# KiCad board signalmesh.kicad_pcb
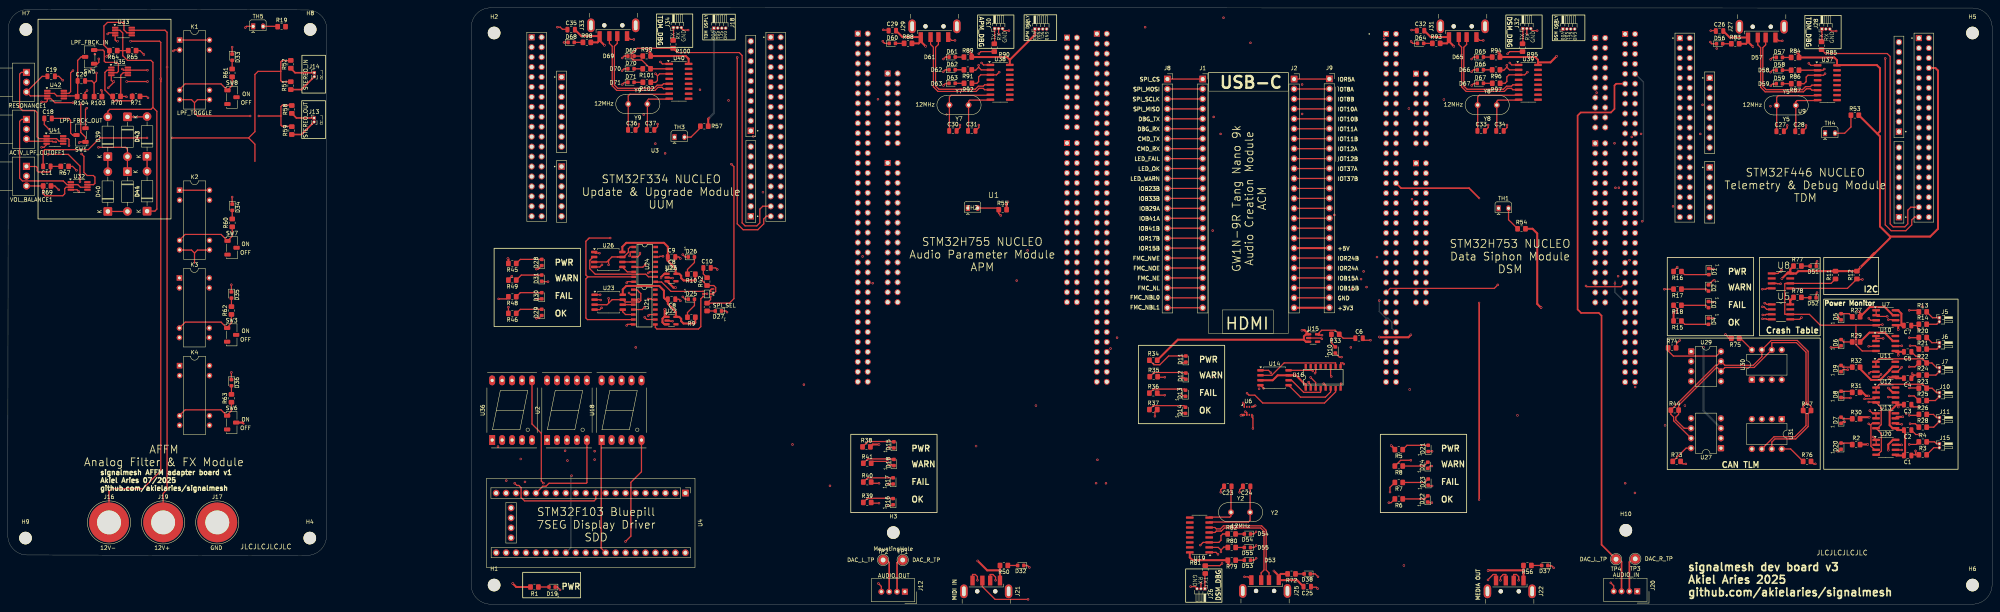
[diagram p0: board, top side]
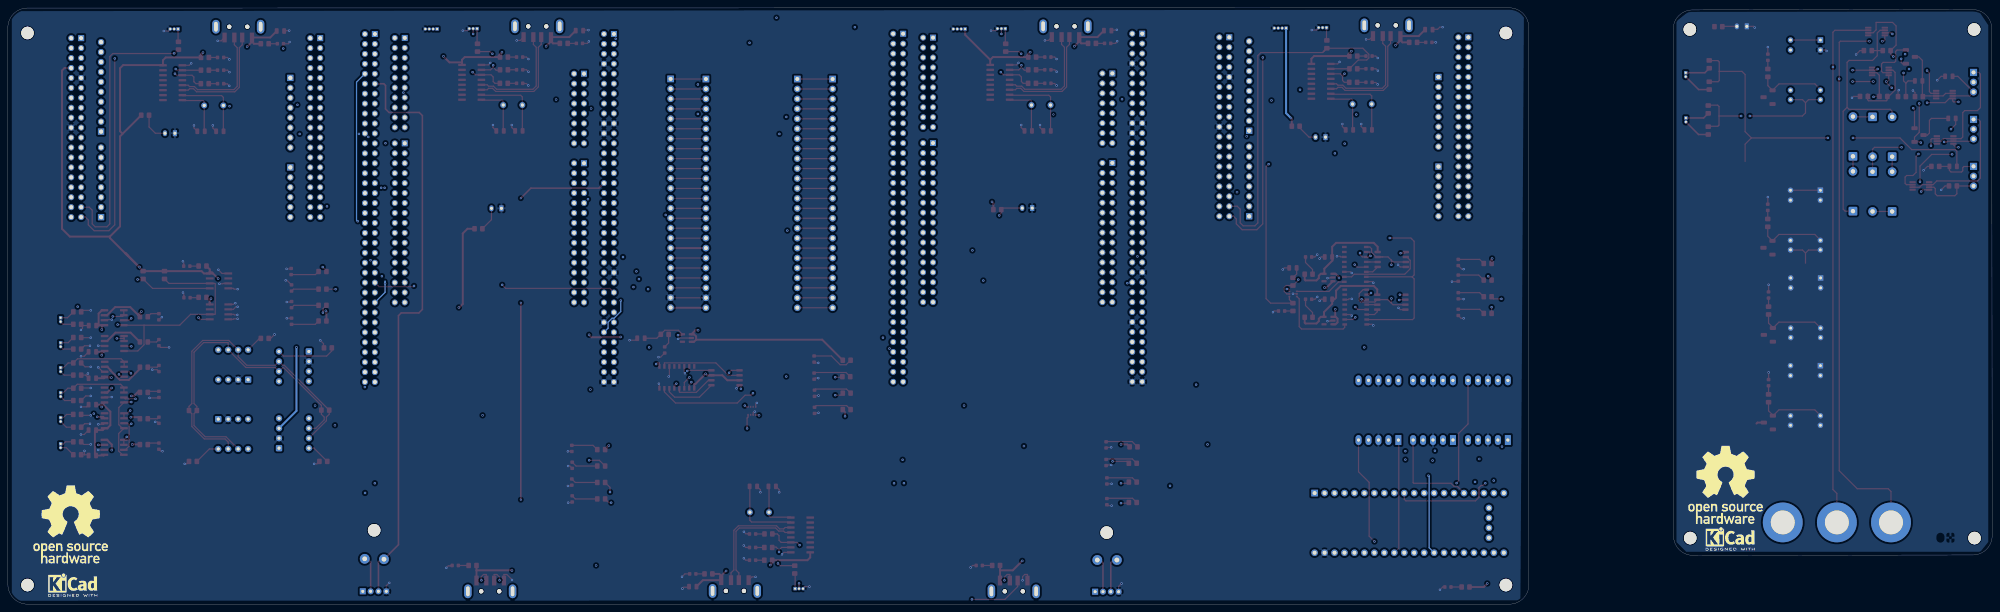
[diagram p1: board, bottom side, seen from below]

Outline 506.01 x 152.31 mm; copper layers: Top, In1.Cu, In2.Cu, Bottom. Coordinates in mm from the lower left corner of the outline.
Outline path: 123.14,0 arc(119.55,1.51) 118.14,5.13 118.18,147.38 arc(119.59,150.83) 123,152.31 501,152.26 arc(504.54,150.8) 506.01,147.26 ; 123.14,0 501,0 arc(504.54,1.47) 506,5 506.01,147.26 ; 0.1,146.94 arc(1.5,150.38) 4.91,151.86 76.41,151.77 arc(79.86,150.36) 81.34,146.95 81.24,17.4 arc(79.84,13.95) 76.43,12.47 4.93,12.57 arc(1.48,13.97) 0,17.38 0.1,146.94
Stack: Top 0.035mm / dielectric 0.1mm FR4 er 4.5 / In1.Cu 0.035mm / dielectric 1.24mm FR4 er 4.5 / In2.Cu 0.035mm / dielectric 0.1mm FR4 er 4.5 / Bottom 0.035mm

## Placement (name value [footprint] x y rotation side)
ACTV_LPF_CUTOFF1  100k  [Potentiometer_Alps_RK09Y11_Single_Horizontal]  4.75 123.81 0 top
C1  0.1uf  [C_0805_2012Metric]  484.46 37.97 180 top
C2  0.1uf  [C_0805_2012Metric]  484.46 44.45 180 top
C3  0.1uf  [C_0805_2012Metric]  484.46 50.96 180 top
C4  0.1uf  [C_0805_2012Metric]  484.46 57.71 180 top
C5  0.1uf  [C_0805_2012Metric]  484.46 64.46 180 top
C6  10uf  [C_0805_2012Metric]  344.56 67.92 0 top
C7  0.1uf  [C_0805_2012Metric]  484.43 71.16 180 top
C8  10uf  [C_0805_2012Metric]  169.25 77.88 0 top
C9  10uf  [C_0805_2012Metric]  169.25 88.68 0 top
C10  0.1uf  [C_0805_2012Metric]  178.31 85.88 0 top
C11  1uf  [C_0805_2012Metric]  9.95 111.81 180 top
C18  10nf  [C_0805_2012Metric]  10.25 124.06 0 top
C19  10nf  [C_0805_2012Metric]  11.05 134.81 0 top
C20  1uf  [C_0805_2012Metric]  18.75 133.64 0 top
C23  22pf  [C_0805_2012Metric]  311.1 30.08 180 top
C24  22pf  [C_0805_2012Metric]  315.9 30.08 180 top
C25  22pf  [C_0805_2012Metric]  331.35 4.48 180 top
C26  22pf  [C_0805_2012Metric]  436.5 146.38 0 top
C27  22pf  [C_0805_2012Metric]  451.95 120.78 0 top
C28  22pf  [C_0805_2012Metric]  456.75 120.78 0 top
C29  22pf  [C_0805_2012Metric]  225.55 146.48 0 top
C30  22pf  [C_0805_2012Metric]  241 120.88 0 top
C31  22pf  [C_0805_2012Metric]  245.8 120.88 0 top
C32  22pf  [C_0805_2012Metric]  360.25 146.48 0 top
C33  22pf  [C_0805_2012Metric]  375.7 120.88 0 top
C34  22pf  [C_0805_2012Metric]  380.5 120.88 0 top
C35  22pf  [C_0805_2012Metric]  143.65 146.74 0 top
C36  22pf  [C_0805_2012Metric]  159.1 121.14 0 top
C37  22pf  [C_0805_2012Metric]  163.9 121.14 0 top
D1  LED_OK  [LED_0603_1608Metric]  433.77 84.96 270 top
D2  LED_FAIL  [LED_0603_1608Metric]  433.67 80.76 270 top
D3  LED_WARN  [LED_0603_1608Metric]  433.67 76.52 270 top
D4  LED_PWR  [LED_0603_1608Metric]  433.67 72.26 270 top
D5  LED_PWR  [LED_0603_1608Metric]  467.49 73.41 90 top
D6  LED_PWR  [LED_0603_1608Metric]  467.49 66.8 90 top
D7  LED_PWR  [LED_0603_1608Metric]  467.49 46.97 90 top
D8  LED_PWR  [LED_0603_1608Metric]  467.49 53.58 90 top
D9  LED_PWR  [LED_0603_1608Metric]  467.49 60.19 90 top
D10  LED_PWR  [LED_0603_1608Metric]  338.51 64.92 90 top
D11  LED_PWR  [LED_0603_1608Metric]  300.4 62.6 90 top
D12  LED_OK  [LED_0603_1608Metric]  300.4 58.23 90 top
D13  LED_FAIL  [LED_0603_1608Metric]  300.3 53.87 90 top
D14  LED_WARN  [LED_0603_1608Metric]  300.3 49.5 90 top
D15  LED_PWR  [LED_0603_1608Metric]  225.95 40.68 90 top
D16  LED_OK  [LED_0603_1608Metric]  225.75 26.18 90 top
D17  LED_FAIL  [LED_0603_1608Metric]  225.75 31.48 90 top
D18  LED_WARN  [LED_0603_1608Metric]  225.95 36.18 90 top
D19  LED_PWR  [LED_0603_1608Metric]  138.79 4.38 180 top
D20  LED_PWR  [LED_0603_1608Metric]  467.49 40.36 90 top
D21  LED_PWR  [LED_0603_1608Metric]  362.2 39.78 90 top
D22  LED_OK  [LED_0603_1608Metric]  362.1 26.88 90 top
D23  LED_FAIL  [LED_0603_1608Metric]  362.2 31.18 90 top
D24  LED_WARN  [LED_0603_1608Metric]  362.1 35.48 90 top
D25  LED_PWR  [LED_0603_1608Metric]  174.31 77.88 0 top
D26  LED_PWR  [LED_0603_1608Metric]  174.31 88.68 0 top
D27  SPI_SEL  [LED_0603_1608Metric]  181.2 74.88 180 top
D28  LED_PWR  [LED_0603_1608Metric]  136.14 87.27 90 top
D29  LED_OK  [LED_0603_1608Metric]  136.14 74.52 90 top
D30  LED_FAIL  [LED_0603_1608Metric]  136.14 78.77 90 top
D31  LED_WARN  [LED_0603_1608Metric]  136.14 83.27 90 top
D32  LED_PWR  [LED_0603_1608Metric]  258.29 9.88 180 top
D33  LPF_ON  [LED_0603_1608Metric]  57.2 139.69 270 top
D34  HPF_ON  [LED_0603_1608Metric]  57.22 101.37 270 top
D35  BPF_ON  [LED_0603_1608Metric]  57.02 78.97 270 top
D36  BSF_ON  [LED_0603_1608Metric]  57.02 56.57 270 top
D37  LED_PWR  [LED_0603_1608Metric]  391.92 9.88 180 top
D38  LED_PWR  [LED_0603_1608Metric]  331.35 7.73 180 top
D39  1N4001  [D_DO-41_SOD81_P10.16mm_Horizontal]  25.5 114.3 90 top
D40  1N4001  [D_DO-41_SOD81_P10.16mm_Horizontal]  25.5 100.3 90 top
D41  1N4001  [D_DO-41_SOD81_P10.16mm_Horizontal]  30.5 110.46 270 top
D42  1N4001  [D_DO-41_SOD81_P10.16mm_Horizontal]  30.5 124.46 270 top
D43  1N4001  [D_DO-41_SOD81_P10.16mm_Horizontal]  35.5 114.38 90 top
D44  1N4001  [D_DO-41_SOD81_P10.16mm_Horizontal]  35.5 100.38 90 top
D51  LED_PWR  [LED_0603_1608Metric]  460.38 86.34 180 top
D52  LED_PWR  [LED_0603_1608Metric]  460.32 78.27 180 top
D53  LED_PWR  [LED_0603_1608Metric]  316.1 11.23 180 top
D54  RXD  [LED_0603_1608Metric]  316.1 17.93 180 top
D55  TXD  [LED_0603_1608Metric]  316.1 14.48 180 top
D56  LED_PWR  [LED_0603_1608Metric]  436.5 143.13 0 top
D57  LED_PWR  [LED_0603_1608Metric]  451.75 139.63 0 top
D58  TXD  [LED_0603_1608Metric]  451.75 136.38 0 top
D59  RXD  [LED_0603_1608Metric]  451.75 132.93 0 top
D60  LED_PWR  [LED_0603_1608Metric]  225.55 143.23 0 top
D61  LED_PWR  [LED_0603_1608Metric]  240.8 139.73 0 top
D62  TXD  [LED_0603_1608Metric]  240.8 136.48 0 top
D63  RXD  [LED_0603_1608Metric]  240.8 133.03 0 top
D64  LED_PWR  [LED_0603_1608Metric]  360.25 143.23 0 top
D65  LED_PWR  [LED_0603_1608Metric]  375.5 139.73 0 top
D66  TXD  [LED_0603_1608Metric]  375.5 136.48 0 top
D67  RXD  [LED_0603_1608Metric]  375.5 133.03 0 top
D68  LED_PWR  [LED_0603_1608Metric]  143.65 143.49 0 top
D69  LED_PWR  [LED_0603_1608Metric]  158.9 139.99 0 top
D70  TXD  [LED_0603_1608Metric]  158.9 136.74 0 top
D71  RXD  [LED_0603_1608Metric]  158.9 133.29 0 top
H1  MountingHole  [MountingHole_3.2mm_M3]  124 4.88 0 top
H2  MountingHole  [MountingHole_3.2mm_M3]  124 145.88 0 top
H3  MountingHole  [MountingHole_3.2mm_M3]  225.8 18.28 0 top
H4  MountingHole  [MountingHole_3.2mm_M3]  77 16.88 0 top
H5  MountingHole  [MountingHole_3.2mm_M3]  501 145.88 0 top
H6  MountingHole  [MountingHole_3.2mm_M3]  501 4.88 0 top
H7  MountingHole  [MountingHole_3.2mm_M3]  4.6 146.78 0 top
H8  MountingHole  [MountingHole_3.2mm_M3]  77.1 146.78 0 top
H9  MountingHole  [MountingHole_3.2mm_M3]  4.5 16.88 0 top
H10  MountingHole  [MountingHole_3.2mm_M3]  412.6 18.88 0 top
J1  FPGA I/O  [PinSocket_1x24_P2.54mm_Vertical]  304.69 134.12 0 top
J2  FPGA I/O  [PinSocket_1x24_P2.54mm_Vertical]  328 134.12 0 top
J3  LCD_display  [PinHeader_1x04_P1.00mm_Horizontal]  396.55 146.91 90 top
J4  LCD_display  [PinHeader_1x04_P1.00mm_Horizontal]  261.9 146.91 90 top
J5  INA219_CONFIG  [PinHeader_1x02_P1.00mm_Horizontal]  492.55 73.16 0 top
J6  INA219_CONFIG  [PinHeader_1x02_P1.00mm_Horizontal]  492.55 66.78 0 top
J7  INA219_CONFIG  [PinHeader_1x02_P1.00mm_Horizontal]  492.55 60.41 0 top
J8  FPGA I/O  [PinSocket_1x24_P2.54mm_Vertical]  295.69 134.12 0 top
J9  FPGA I/O  [PinSocket_1x24_P2.54mm_Vertical]  337 134.16 0 top
J10  INA219_CONFIG  [PinHeader_1x02_P1.00mm_Horizontal]  492.55 54.03 0 top
J11  INA219_CONFIG  [PinHeader_1x02_P1.00mm_Horizontal]  492.55 47.66 0 top
J12  AUDIO_OUT  [NS-Tech_Grove_1x04_P2mm_Vertical]  228.75 3.18 270 top
J13  STEREO_OUT  [PinHeader_1x02_P1.00mm_Vertical]  78.1 124.18 0 top
J14  STEREO_IN  [PinHeader_1x02_P1.00mm_Vertical]  78.15 135.73 0 top
J15  INA219_CONFIG  [PinHeader_1x02_P1.00mm_Horizontal]  492.55 40.96 0 top
J16  12V-  [Banana_Jack_1Pin]  25.8 20.88 0 top
J17  GND  [Banana_Jack_1Pin]  53.4 20.88 0 top
J18  LCD_display  [PinHeader_1x04_P1.00mm_Horizontal]  180.05 147.12 90 top
J19  12V+  [Banana_Jack_1Pin]  39.6 20.88 0 top
J20  AUDIO_IN  [NS-Tech_Grove_1x04_P2mm_Vertical]  415.5 3.28 270 top
J21  USB_A  [USB_A_CNCTech_1001-011-01101_Horizontal]  249.5 -3.62 270 top
J22  USB_A  [USB_A_CNCTech_1001-011-01101_Horizontal]  383 -3.62 270 top
J25  USB_A  [USB_A_CNCTech_1001-011-01101_Horizontal]  320.6 -3.52 270 top
J26  UART_DEBUG  [PinHeader_1x03_P1.00mm_Horizontal]  305.25 3.96 270 top
J27  USB_A  [USB_A_CNCTech_1001-011-01101_Horizontal]  447.25 154.38 90 top
J28  UART_DEBUG  [PinHeader_1x03_P1.00mm_Horizontal]  462.6 146.9 90 top
J29  USB_A  [USB_A_CNCTech_1001-011-01101_Horizontal]  236.3 154.48 90 top
J30  UART_DEBUG  [PinHeader_1x03_P1.00mm_Horizontal]  251.65 147 90 top
J31  USB_A  [USB_A_CNCTech_1001-011-01101_Horizontal]  371 154.48 90 top
J32  UART_DEBUG  [PinHeader_1x03_P1.00mm_Horizontal]  386.35 147 90 top
J33  USB_A  [USB_A_CNCTech_1001-011-01101_Horizontal]  154.4 154.74 90 top
J34  UART_DEBUG  [PinHeader_1x03_P1.00mm_Horizontal]  169.75 147.26 90 top
K1  LPF_TOGGLE  [Relay_StandexMeder_DIP_LowProfile]  43.8 144.08 0 top
K2  DIPxx-1Axx-11x  [Relay_StandexMeder_DIP_LowProfile]  43.8 105.72 0 top
K3  DIPxx-1Axx-11x  [Relay_StandexMeder_DIP_LowProfile]  43.75 83.32 0 top
K4  DIPxx-1Axx-11x  [Relay_StandexMeder_DIP_LowProfile]  43.8 60.92 0 top
KiCAD_logo  -  [KiCad-Logo2_5mm_SilkScreen]  489.46 4.88 180 bottom
KiCAD_logo#2  -  [KiCad-Logo2_5mm_SilkScreen]  66.8 16.68 180 bottom
OSHW  -  [OSHW-Logo_19x20mm_SilkScreen]  68 30.48 180 bottom
OSHW#2  -  [OSHW-Logo_19x20mm_SilkScreen]  490 20.38 180 bottom
R1  300  [R_0805_2012Metric_Pad1.20x1.40mm_HandSolder]  134.29 4.38 180 top
R2  300  [R_0805_2012Metric_Pad1.20x1.40mm_HandSolder]  471.33 40.76 0 top
R3  10k  [R_0805_2012Metric_Pad1.20x1.40mm_HandSolder]  488.31 38.16 0 top
R4  10k  [R_0805_2012Metric_Pad1.20x1.40mm_HandSolder]  488.31 41.46 0 top
R5  300  [R_0805_2012Metric_Pad1.20x1.40mm_HandSolder]  354.7 39.48 180 top
R6  300  [R_0805_2012Metric_Pad1.20x1.40mm_HandSolder]  354.7 26.88 180 top
R7  300  [R_0805_2012Metric_Pad1.20x1.40mm_HandSolder]  354.7 31.08 180 top
R8  300  [R_0805_2012Metric_Pad1.20x1.40mm_HandSolder]  354.7 35.28 180 top
R9  300  [R_0805_2012Metric_Pad1.20x1.40mm_HandSolder]  174.31 73.28 180 top
R10  300  [R_0805_2012Metric_Pad1.20x1.40mm_HandSolder]  174.31 84.28 180 top
R11  4.7k  [R_0805_2012Metric_Pad1.20x1.40mm_HandSolder]  466.06 84.06 90 top
R12  4.7k  [R_0805_2012Metric_Pad1.20x1.40mm_HandSolder]  471.52 84.06 90 top
R13  10k  [R_0805_2012Metric_Pad1.20x1.40mm_HandSolder]  488.31 74.66 0 top
R14  10k  [R_0805_2012Metric_Pad1.20x1.40mm_HandSolder]  488.31 71.49 0 top
R15  300  [R_0805_2012Metric_Pad1.20x1.40mm_HandSolder]  425.77 72.32 180 top
R16  300  [R_0805_2012Metric_Pad1.20x1.40mm_HandSolder]  425.77 84.96 180 top
R17  300  [R_0805_2012Metric_Pad1.20x1.40mm_HandSolder]  425.77 80.46 180 top
R18  300  [R_0805_2012Metric_Pad1.20x1.40mm_HandSolder]  425.77 76.32 180 top
R19  10k  [R_0805_2012Metric_Pad1.20x1.40mm_HandSolder]  69.81 147.5 0 top
R20  10k  [R_0805_2012Metric_Pad1.20x1.40mm_HandSolder]  488.31 68.11 0 top
R21  10k  [R_0805_2012Metric_Pad1.20x1.40mm_HandSolder]  488.31 65.16 0 top
R22  10k  [R_0805_2012Metric_Pad1.20x1.40mm_HandSolder]  488.31 61.61 0 top
R23  10k  [R_0805_2012Metric_Pad1.20x1.40mm_HandSolder]  488.31 55.16 0 top
R24  10k  [R_0805_2012Metric_Pad1.20x1.40mm_HandSolder]  488.31 58.51 0 top
R25  10k  [R_0805_2012Metric_Pad1.20x1.40mm_HandSolder]  488.31 52.01 0 top
R26  10k  [R_0805_2012Metric_Pad1.20x1.40mm_HandSolder]  488.33 48.46 0 top
R27  300  [R_0805_2012Metric_Pad1.20x1.40mm_HandSolder]  471.33 73.41 0 top
R28  10k  [R_0805_2012Metric_Pad1.20x1.40mm_HandSolder]  488.31 45.21 0 top
R29  300  [R_0805_2012Metric_Pad1.20x1.40mm_HandSolder]  471.33 66.97 0 top
R30  300  [R_0805_2012Metric_Pad1.20x1.40mm_HandSolder]  471.33 47.36 0 top
R31  300  [R_0805_2012Metric_Pad1.20x1.40mm_HandSolder]  471.33 54.09 0 top
R32  300  [R_0805_2012Metric_Pad1.20x1.40mm_HandSolder]  471.33 60.53 0 top
R33  300  [R_0805_2012Metric_Pad1.20x1.40mm_HandSolder]  338.51 68.92 180 top
R34  300  [R_0805_2012Metric_Pad1.20x1.40mm_HandSolder]  292.1 62.3 0 top
R35  300  [R_0805_2012Metric_Pad1.20x1.40mm_HandSolder]  292.2 58.1 0 top
R36  300  [R_0805_2012Metric_Pad1.20x1.40mm_HandSolder]  292.1 53.9 0 top
R37  300  [R_0805_2012Metric_Pad1.20x1.40mm_HandSolder]  292.1 49.7 0 top
R38  300  [R_0805_2012Metric_Pad1.20x1.40mm_HandSolder]  218.95 40.18 0 top
R39  300  [R_0805_2012Metric_Pad1.20x1.40mm_HandSolder]  219.15 25.98 0 top
R40  300  [R_0805_2012Metric_Pad1.20x1.40mm_HandSolder]  219.15 31.18 0 top
R41  300  [R_0805_2012Metric_Pad1.20x1.40mm_HandSolder]  219.15 35.98 0 top
R42  100  [R_0805_2012Metric_Pad1.20x1.40mm_HandSolder]  178.31 82.38 90 top
R43  300  [R_0805_2012Metric_Pad1.20x1.40mm_HandSolder]  178.31 75.88 270 top
R44  120  [R_0805_2012Metric_Pad1.20x1.40mm_HandSolder]  425.06 49.56 0 top
R45  300  [R_0805_2012Metric_Pad1.20x1.40mm_HandSolder]  128.64 87.02 180 top
R46  300  [R_0805_2012Metric_Pad1.20x1.40mm_HandSolder]  128.64 74.27 180 top
R47  120  [R_0805_2012Metric_Pad1.20x1.40mm_HandSolder]  458.81 49.46 0 top
R48  300  [R_0805_2012Metric_Pad1.20x1.40mm_HandSolder]  128.64 78.52 180 top
R49  300  [R_0805_2012Metric_Pad1.20x1.40mm_HandSolder]  128.64 82.77 180 top
R50  300  [R_0805_2012Metric_Pad1.20x1.40mm_HandSolder]  254 9.88 180 top
R51  10K  [R_0805_2012Metric_Pad1.20x1.40mm_HandSolder]  72.15 132.43 90 top
R52  10K  [R_0805_2012Metric_Pad1.20x1.40mm_HandSolder]  72.15 137.88 90 top
R53  10k  [R_0805_2012Metric_Pad1.20x1.40mm_HandSolder]  471 124.88 0 top
R54  10k  [R_0805_2012Metric_Pad1.20x1.40mm_HandSolder]  386 95.88 0 top
R55  10k  [R_0805_2012Metric_Pad1.20x1.40mm_HandSolder]  253.69 100.76 0 top
R56  300  [R_0805_2012Metric_Pad1.20x1.40mm_HandSolder]  387.5 9.88 180 top
R57  10k  [R_0805_2012Metric_Pad1.20x1.40mm_HandSolder]  177.6 122.08 0 top
R58  1K  [R_0805_2012Metric_Pad1.20x1.40mm_HandSolder]  72.4 126.36 90 top
R59  1K  [R_0805_2012Metric_Pad1.20x1.40mm_HandSolder]  72.4 120.96 90 top
R60  300  [R_0805_2012Metric_Pad1.20x1.40mm_HandSolder]  57.22 97.38 90 top
R61  300  [R_0805_2012Metric_Pad1.20x1.40mm_HandSolder]  57.2 135.68 90 top
R62  300  [R_0805_2012Metric_Pad1.20x1.40mm_HandSolder]  57.02 74.99 90 top
R63  300  [R_0805_2012Metric_Pad1.20x1.40mm_HandSolder]  57.02 52.58 90 top
R64  10k  [R_0805_2012Metric_Pad1.20x1.40mm_HandSolder]  26.9 141.38 180 top
R65  6k8  [R_0805_2012Metric_Pad1.20x1.40mm_HandSolder]  31.7 141.38 180 top
R67  200k  [R_0805_2012Metric_Pad1.20x1.40mm_HandSolder]  14.5 111.81 180 top
R69  33k  [R_0805_2012Metric_Pad1.20x1.40mm_HandSolder]  10 106.81 180 top
R70  10k  [R_0805_2012Metric_Pad1.20x1.40mm_HandSolder]  27.73 129.68 180 top
R71  6k8  [R_0805_2012Metric_Pad1.20x1.40mm_HandSolder]  32.7 129.68 180 top
R72  300  [R_0805_2012Metric_Pad1.20x1.40mm_HandSolder]  327.35 7.73 180 top
R73  10k  [R_0805_2012Metric_Pad1.20x1.40mm_HandSolder]  425.56 36.46 0 top
R74  10k  [R_0805_2012Metric_Pad1.20x1.40mm_HandSolder]  424.4 65.46 0 top
R75  10k  [R_0805_2012Metric_Pad1.20x1.40mm_HandSolder]  440.5 67.88 180 top
R76  10k  [R_0805_2012Metric_Pad1.20x1.40mm_HandSolder]  458.81 36.46 0 top
R77  300  [R_0805_2012Metric_Pad1.20x1.40mm_HandSolder]  456.36 86.36 0 top
R78  300  [R_0805_2012Metric_Pad1.20x1.40mm_HandSolder]  456.36 78.36 0 top
R79  300  [R_0805_2012Metric_Pad1.20x1.40mm_HandSolder]  312.1 11.23 180 top
R80  300  [R_0805_2012Metric_Pad1.20x1.40mm_HandSolder]  312.1 14.48 0 top
R81  1k5  [R_0805_2012Metric_Pad1.20x1.40mm_HandSolder]  305.35 8.83 90 top
R82  300  [R_0805_2012Metric_Pad1.20x1.40mm_HandSolder]  312.06 17.93 0 top
R83  300  [R_0805_2012Metric_Pad1.20x1.40mm_HandSolder]  440.5 143.13 0 top
R84  300  [R_0805_2012Metric_Pad1.20x1.40mm_HandSolder]  455.75 139.63 0 top
R85  1k5  [R_0805_2012Metric_Pad1.20x1.40mm_HandSolder]  462.5 142.63 270 top
R86  300  [R_0805_2012Metric_Pad1.20x1.40mm_HandSolder]  455.75 136.38 180 top
R87  300  [R_0805_2012Metric_Pad1.20x1.40mm_HandSolder]  455.79 132.93 180 top
R88  300  [R_0805_2012Metric_Pad1.20x1.40mm_HandSolder]  229.55 143.23 0 top
R89  300  [R_0805_2012Metric_Pad1.20x1.40mm_HandSolder]  244.8 139.73 0 top
R90  1k5  [R_0805_2012Metric_Pad1.20x1.40mm_HandSolder]  251.55 142.13 270 top
R91  300  [R_0805_2012Metric_Pad1.20x1.40mm_HandSolder]  244.8 136.48 180 top
R92  300  [R_0805_2012Metric_Pad1.20x1.40mm_HandSolder]  244.84 133.03 180 top
R93  300  [R_0805_2012Metric_Pad1.20x1.40mm_HandSolder]  364.25 143.23 0 top
R94  300  [R_0805_2012Metric_Pad1.20x1.40mm_HandSolder]  379.5 139.73 0 top
R95  1k5  [R_0805_2012Metric_Pad1.20x1.40mm_HandSolder]  386.25 142.13 270 top
R96  300  [R_0805_2012Metric_Pad1.20x1.40mm_HandSolder]  379.5 136.48 180 top
R97  300  [R_0805_2012Metric_Pad1.20x1.40mm_HandSolder]  379.54 133.03 180 top
R98  300  [R_0805_2012Metric_Pad1.20x1.40mm_HandSolder]  147.65 143.49 0 top
R99  300  [R_0805_2012Metric_Pad1.20x1.40mm_HandSolder]  162.9 139.99 0 top
R100  1k5  [R_0805_2012Metric_Pad1.20x1.40mm_HandSolder]  169.65 142.99 270 top
R101  300  [R_0805_2012Metric_Pad1.20x1.40mm_HandSolder]  162.9 136.74 180 top
R102  300  [R_0805_2012Metric_Pad1.20x1.40mm_HandSolder]  162.94 133.28 180 top
R103  200k  [R_0805_2012Metric_Pad1.20x1.40mm_HandSolder]  23 129.64 180 top
R104  100K  [R_0805_2012Metric_Pad1.20x1.40mm_HandSolder]  18.67 129.64 180 top
RESONANCE1  100k  [Potentiometer_Alps_RK09Y11_Single_Horizontal]  4.75 135.81 0 top
SW1  LPF_FBCK_OUT  [Nidec_Copal_CAS-120A]  18.65 119.81 180 top
SW3  BPF_TOGGLE  [Nidec_Copal_CAS-120A]  57.07 68.78 0 top
SW5  LPF_FBCK_IN  [Nidec_Copal_CAS-120A]  20.85 139.78 180 top
SW6  BSF_TOGGLE  [Nidec_Copal_CAS-120A]  57.07 46.38 0 top
SW7  HPF_TOGGLE  [Nidec_Copal_CAS-120A]  57.17 91.03 0 top
SW8  LPF_TOGGLE  [Nidec_Copal_CAS-120A]  57.15 129.48 0 top
TH1  10k  [Heraeus_TO-92-2]  380.14 101.1 0 top
TH2  10k  [Heraeus_TO-92-2]  244.8 101.17 0 top
TH3  10k  [Heraeus_TO-92-2]  170 119.28 0 top
TH4  10k  [Heraeus_TO-92-2]  463.4 120.28 0 top
TH5  10k  [Heraeus_TO-92-2]  62.56 147.58 0 top
TP1  DAC_R_TP  [TestPoint_THTPad_D2.5mm_Drill1.2mm]  228.2 11.28 0 top
TP2  DAC_L_TP  [TestPoint_THTPad_D2.5mm_Drill1.2mm]  223.2 11.28 0 top
TP3  DAC_R_TP  [TestPoint_THTPad_D2.5mm_Drill1.2mm]  415 11.58 270 top
TP4  DAC_L_TP  [TestPoint_THTPad_D2.5mm_Drill1.2mm]  410.1 11.48 270 top
U1  NUCLEO-H753ZI  [MODULE_NUCLEO-H753ZI]  248.49 110.78 0 top
U2  SM420561N  [7SegmentLED_LTS6760_LTS6780]  137.5 41.92 90 top
U3  NUCLEO-F303RE  [ST_NUCLEO-F303RE]  165.33 135.28 0 top
U4  YAAJ_BluePill_Part_Like  [YAAJ_WeAct_BlackPill_SWD_2]  172.78 28.38 270 top
U5  24LC256-I_SN  [SOIC127P600X175-8N]  452.16 74.66 0 top
U6  BME280  [Bosch_LGA-8_2.5x2.5mm_P0.65mm_ClockwisePinNumbering]  316.27 49.38 0 top
U7  INA219AxD  [SOIC-8_3.9x4.9mm_P1.27mm]  478.9 73.16 0 top
U8  24LC256-I_SN  [SOIC127P600X175-8N]  452.16 82.56 0 top
U9  NUCLEO-F446RE  [MODULE_NUCLEO-F446RE]  458.11 135.06 0 top
U10  INA219AxD  [SOIC-8_3.9x4.9mm_P1.27mm]  478.85 66.58 0 top
U11  INA219AxD  [SOIC-8_3.9x4.9mm_P1.27mm]  478.84 60 0 top
U12  INA219AxD  [SOIC-8_3.9x4.9mm_P1.27mm]  478.89 53.42 0 top
U13  INA219AxD  [SOIC-8_3.9x4.9mm_P1.27mm]  478.87 46.84 0 top
U14  W25Q128JVS  [SOIC-8_5.3x5.3mm_P1.27mm]  323.01 57.82 0 top
U15  AP2112K-3.3  [SOT-23-5]  332.85 67.97 0 top
U16  74HC4050D  [SO16]  335.42 57.92 0 top
U17  NUCLEO-H753ZI  [MODULE_NUCLEO-H753ZI]  383.21 110.71 0 top
U18  SM420561N  [7SegmentLED_LTS6760_LTS6780]  151.42 41.92 90 top
U19  CH340G  [SOIC-16_3.9x9.9mm_P1.27mm]  303.88 17.68 180 top
U20  INA219AxD  [SOIC-8_3.9x4.9mm_P1.27mm]  478.9 40.06 0 top
U21  74HC4050D  [SO16]  162.31 75.88 270 top
U22  AP2112K-3.3  [SOT-23-5]  169.24 72.43 0 top
U23  W25Q128JVS  [SOIC-8_5.3x5.3mm_P1.27mm]  153.22 77.13 0 top
U24  74HC4050D  [SO16]  162.4 86.78 270 top
U25  AP2112K-3.3  [SOT-23-5]  169.24 83.43 0 top
U26  W25Q128JVS  [SOIC-8_5.3x5.3mm_P1.27mm]  153.11 88.03 0 top
U27  MCP2551-I-P  [DIP-8_W7.62mm]  436.86 39.84 180 top
U28  74LVC1G3157  [SC70-6]  178.25 79.23 270 top
U29  MCP2551-I-P  [DIP-8_W7.62mm]  429.25 64.54 0 top
U30  MCP2551-I-P  [DIP-8_W7.62mm]  444.74 57.34 90 top
U31  MCP2551-I-P  [DIP-8_W7.62mm]  452.36 47.26 270 top
U32  OPA196xDGK  [VSSOP-8_3x3mm_P0.65mm]  18.17 106.81 0 top
U33  OPA196xDGK  [VSSOP-8_3x3mm_P0.65mm]  29.49 146.26 0 top
U35  OPA196xDGK  [VSSOP-8_3x3mm_P0.65mm]  28.5 136.06 0 top
U36  SM420561N  [7SegmentLED_LTS6760_LTS6780]  123.5 41.92 90 top
U37  CH340G  [SOIC-16_3.9x9.9mm_P1.27mm]  463.98 133.19 0 top
U38  CH340G  [SOIC-16_3.9x9.9mm_P1.27mm]  253.02 133.29 0 top
U39  CH340G  [SOIC-16_3.9x9.9mm_P1.27mm]  387.73 133.29 0 top
U40  CH340G  [SOIC-16_3.9x9.9mm_P1.27mm]  171.12 133.54 0 top
U41  OPA196xDGK  [VSSOP-8_3x3mm_P0.65mm]  12 118.56 0 top
U42  OPA196xDGK  [VSSOP-8_3x3mm_P0.65mm]  12.17 130.14 0 top
VOL_BALANCE1  100k  [Potentiometer_Alps_RK09Y11_Single_Horizontal]  4.75 111.81 0 top
Y2  12MHz  [Crystal_HC49-4H_Vertical]  316.79 23.48 180 top
Y5  12MHz  [Crystal_HC49-4H_Vertical]  451.06 127.38 0 top
Y7  12MHz  [Crystal_HC49-4H_Vertical]  240.11 127.48 0 top
Y8  12MHz  [Crystal_HC49-4H_Vertical]  374.81 127.48 0 top
Y9  12MHz  [Crystal_HC49-4H_Vertical]  158.21 127.74 0 top
